# Allegro board 1155000-zp-dic_pda_8ch_board_v002.brd (continued)
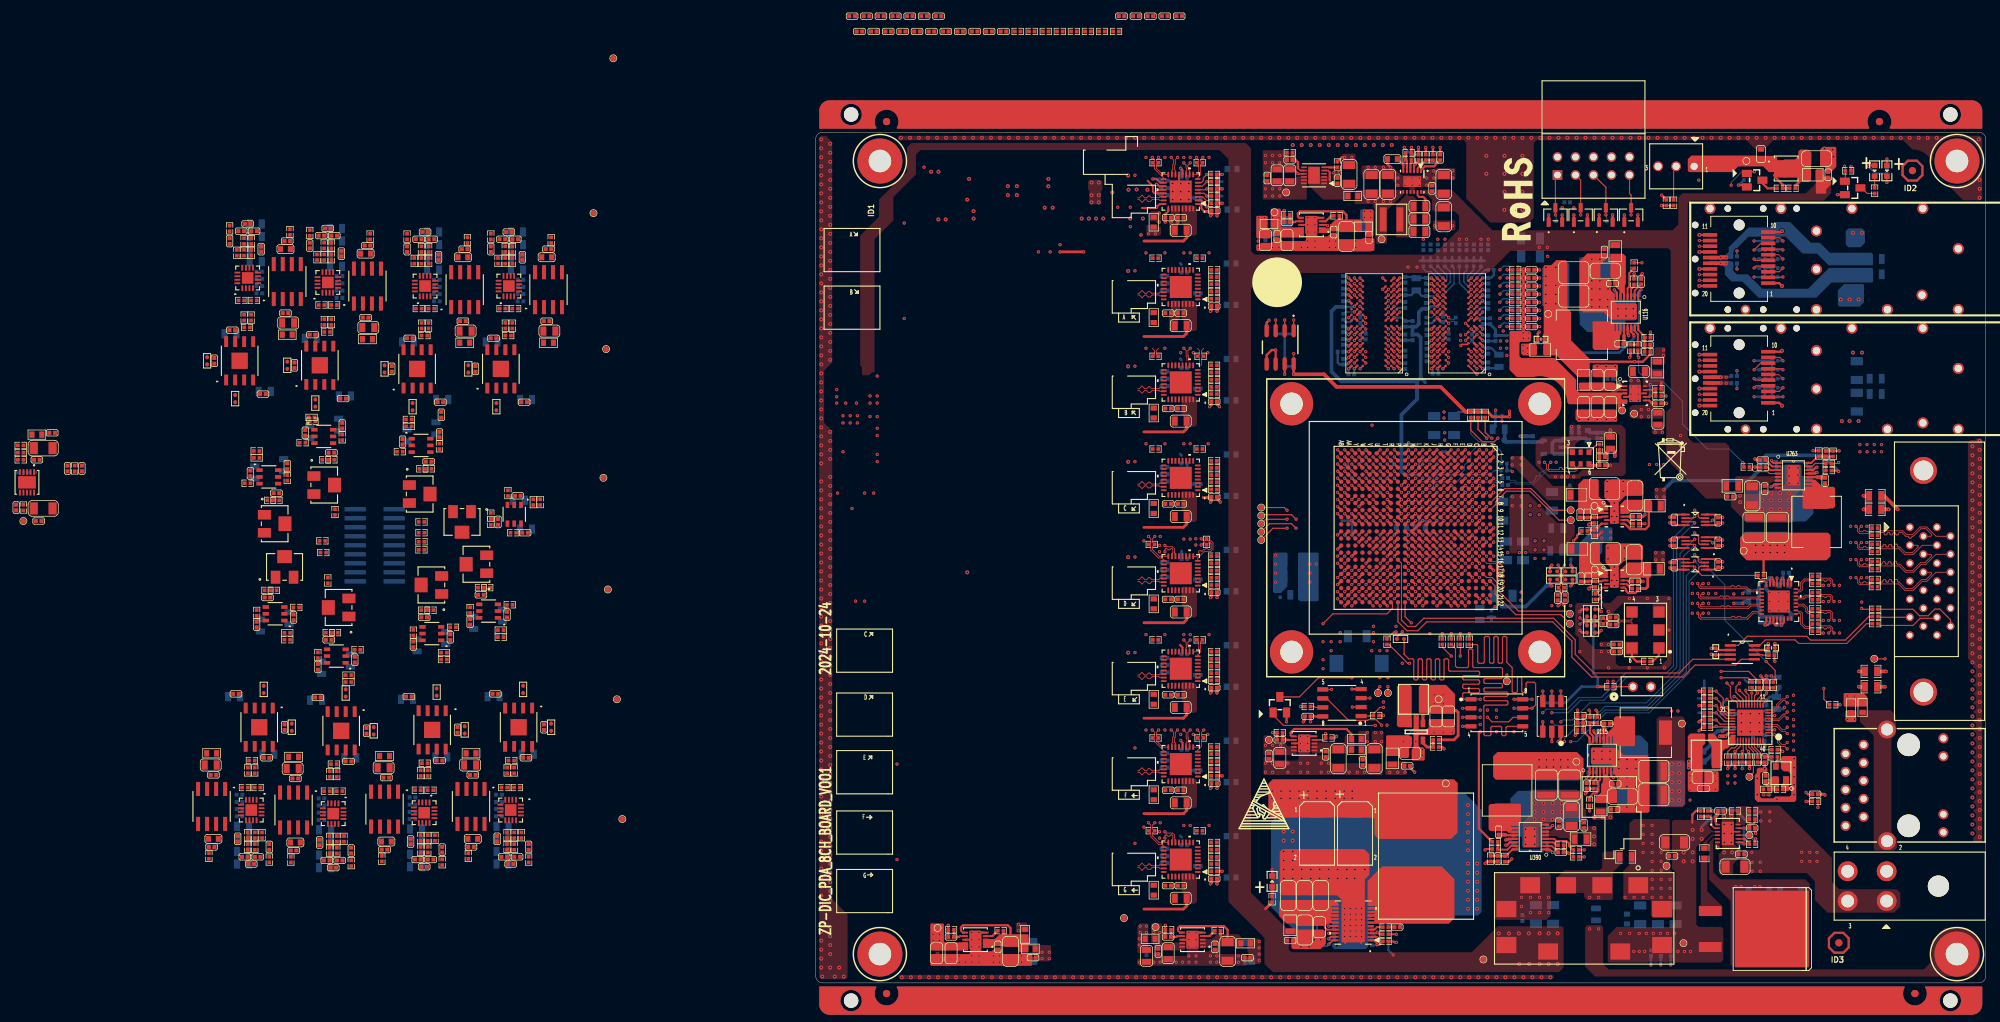
[diagram p0: board, top side]
## Nets (continued)
N23196826: R2153.2 U273.7(H\O\L\D\)
N23467611: R3014.2 U366.3(REFIN)
N23473539: R3026.1 U366.21(VCM)
N23486167: C2971.2(CAP1) C2974.1(CAP2) L299.2 U275.2(VIN)
N23486224: C2972.1(CAP2) C2973.2(CAP1) R2184.1 TP147.1 U275.6(VOUT)
N23486553: C2975.1(CAP2) C2976.2(CAP1) L300.2 U276.2(VIN)
N23486610: C2977.1(CAP2) C2978.2(CAP1) R2185.1 TP148.1 U276.6(VOUT)
N23486896: C2979.1(CAP2) C2980.2(CAP1) L301.2 U277.2(VIN)
N23486953: C2981.1(CAP2) C2982.2(CAP1) R2186.1 TP149.1 U277.6(VOUT)
N23487251: C2983.1(CAP2) C2984.2(CAP1) L302.2 U278.2(VIN)
N23487308: C2985.1(CAP2) C2986.2(CAP1) R2187.1 TP150.1 U278.6(VOUT)
N23492813: C2989.1(CAP2) C2990.2(CAP1) L303.2 U280.2(VIN)
N23492870: C2991.1(CAP2) C2992.2(CAP1) R2196.1 TP151.1 U280.6(VOUT)
N23492969: C2993.1(CAP2) C2994.2(CAP1) L304.2 U281.2(VIN)
N23493026: C2995.1(CAP2) C2996.2(CAP1) R2197.1 TP152.1 U281.6(VOUT)
N23493125: C2997.1(CAP2) C2998.2(CAP1) L305.2 U282.2(VIN)
N23493182: C2999.1(CAP2) C3000.2(CAP1) R2198.1 TP153.1 U282.6(VOUT)
N23493281: C3001.1(CAP2) C3002.2(CAP1) L306.2 U283.2(VIN)
N23493338: C3003.1(CAP2) C3004.2(CAP1) R2199.1 TP154.1 U283.6(VOUT)
N23503581: C3286.2(CAP1) C3287.2(CAP1) C3288.2(CAP1) L368.2 U369.1(VDD1) U369.19(VDD1_2) U369.20(VDD1_3)
N23503589: C3289.2(CAP1) C3290.2(CAP1) C3291.2(CAP1) L369.2 U369.2(VDD2) U369.18(VDD2_2) U369.25(VDD2_3)
N23503625: R3035.2 U369.3(REFIN)
N23503698: R3047.1 U369.21(VCM)
N23504848: C3300.2(CAP1) C3301.2(CAP1) C3302.2(CAP1) L371.2 U372.1(VDD1) U372.19(VDD1_2) U372.20(VDD1_3)
N23504856: C3303.2(CAP1) C3304.2(CAP1) C3305.2(CAP1) L372.2 U372.2(VDD2) U372.18(VDD2_2) U372.25(VDD2_3)
N23504892: R3056.2 U372.3(REFIN)
N23504965: R3068.1 U372.21(VCM)
N23506117: C3356.2(CAP1) C3357.2(CAP1) C3358.2(CAP1) L383.2 U384.1(VDD1) U384.19(VDD1_2) U384.20(VDD1_3)
N23506125: C3359.2(CAP1) C3360.2(CAP1) C3361.2(CAP1) L384.2 U384.2(VDD2) U384.18(VDD2_2) U384.25(VDD2_3)
N23506161: R3140.2 U384.3(REFIN)
N23506234: R3152.1 U384.21(VCM)
N23507395: C3314.2(CAP1) C3315.2(CAP1) C3316.2(CAP1) L374.2 U375.1(VDD1) U375.19(VDD1_2) U375.20(VDD1_3)
N23507403: C3317.2(CAP1) C3318.2(CAP1) C3319.2(CAP1) L375.2 U375.2(VDD2) U375.18(VDD2_2) U375.25(VDD2_3)
N23507439: R3077.2 U375.3(REFIN)
N23507512: R3089.1 U375.21(VCM)
N23508661: C3328.2(CAP1) C3329.2(CAP1) C3330.2(CAP1) L377.2 U378.1(VDD1) U378.19(VDD1_2) U378.20(VDD1_3)
N23508669: C3331.2(CAP1) C3332.2(CAP1) C3333.2(CAP1) L378.2 U378.2(VDD2) U378.18(VDD2_2) U378.25(VDD2_3)
N23508705: R3098.2 U378.3(REFIN)
N23508778: R3110.1 U378.21(VCM)
N23509928: C3342.2(CAP1) C3343.2(CAP1) C3344.2(CAP1) L380.2 U381.1(VDD1) U381.19(VDD1_2) U381.20(VDD1_3)
N23509936: C3345.2(CAP1) C3346.2(CAP1) C3347.2(CAP1) L381.2 U381.2(VDD2) U381.18(VDD2_2) U381.25(VDD2_3)
N23509972: R3119.2 U381.3(REFIN)
N23510045: R3131.1 U381.21(VCM)
N23511196: C3370.2(CAP1) C3371.2(CAP1) C3372.2(CAP1) L386.2 U387.1(VDD1) U387.19(VDD1_2) U387.20(VDD1_3)
N23511204: C3373.2(CAP1) C3374.2(CAP1) C3375.2(CAP1) L387.2 U387.2(VDD2) U387.18(VDD2_2) U387.25(VDD2_3)
N23511240: R3161.2 U387.3(REFIN)
N23511313: R3173.1 U387.21(VCM)
N23531871: R2214.1 U271.31(OUT0-)
N23531940: R2215.1 U271.30(OUT1+)
N23531952: R2216.1 U271.29(OUT1-)
N23531995: R2217.1 U271.28(OUT2+)
N23532007: R2218.1 U271.27(OUT2-)
N23532050: R2219.1 U271.26(OUT3+)
N23532062: R2220.1 U271.25(OUT3-)
N23538900: TP102.1 U1.B18(IO_L20P_T3_A20_15)
N23538909: TP103.1 U1.A19(IO_L20N_T3_A19_15)
N23539881: J6.11 R834.2
N23546000: R2253.2 U263.7(NC)
N23547065: C2486.1(CAP2) C2487.2(CAP1) L288.2 U272.1(VDD) U272.3(CE)
N23561603: C1339.1(CAP2) C2480.2(CAP1) L131.2 R2083.2 U133.1(IN) U133.2(IN_2) U133.3(EN/UV) U133.6(PGFB)
N23561705: R2083.1 U133.4(PG)
N23561717: C1340.1(CAP2) R2139.1 U133.7(SET)
N23565715: C1257.1(CAP2) L111.2 R1138.1 U124.4(VIN)
N23565735: L112.1 U124.3(SW)
N23565751: R1138.2 U124.1(EN)
N23565779: R1129.2 R1130.1 U124.5(FB)
N23580868: TP104.1 U1.R16(IO_L20P_T3_13)
N23580877: TP105.1 U1.T16(IO_L20N_T3_13)
N23582125: R2598.1 U154.6(OE)
N23591059: R1884.2 R3200.2 U236.2(EN)
N23610435: R2674.2 U342.5(S\H\D\N\)
N23610458: R2676.2 U342.3(IN+)
N23610499: C3093.1(CAP2) R2517.2 R2692.1 R3207.2 U342.4(IN-)
N23610531: C3093.2(CAP1) L357.1 R2518.2 R2692.2 U342.1(OUT)
N23610539: C3090.1(CAP2) R2679.2 R3218.1
N23613049: C3088.2(CAP1) R2688.2 R3216.2 R3256.1 U343.6(OUT)
N23614353: C3088.1(CAP2) R3216.1 R3218.2 U343.2(-IN)
N23616207: R3288.2 U343.3(+IN)
N23618683: R2677.2 U344.12(D\I\S\A\B\L\E\)
N23618728: C3538.1(CAP2) R3256.2 R3258.1 U344.2(IN+)
N23618730: C3538.2(CAP1) R3258.2 U344.1(FB-)
N23618750: R2681.1 U344.11(OUT-)
N23618767: C3537.1(CAP2) R3257.2 R3259.1 U344.3(IN-)
N23618773: R2690.1 U344.10(OUT+)
N23618807: C3537.2(CAP1) R3259.2 U344.4(FB+)
N23624222: R2681.2 R2684.1
N23624272: R2690.2 R2691.1
N23628828: L357.2 R2679.1
N23641427: R2696.2 U346.5(S\H\D\N\)
N23641429: R2697.2 U346.3(IN+)
N23641433: C3116.1(CAP2) R2713.1 R3208.2 R3290.2 U346.4(IN-)
N23641439: C3116.2(CAP1) L358.1 R2713.2 R3291.2 U346.1(OUT)
N23641442: C3540.1(CAP2) R2700.2 R3220.1
N23641477: C3111.2(CAP1) R2709.2 R3219.2 R3261.1 U347.6(OUT)
N23641479: C3111.1(CAP2) R3219.1 R3220.2 U347.2(-IN)
N23641492: R3289.2 U347.3(+IN)
N23641506: R2698.2 U345.12(D\I\S\A\B\L\E\)
N23641518: R2704.1 U345.11(OUT-)
N23641522: R2711.1 U345.10(OUT+)
N23641559: R2704.2 R2705.1
N23641562: R2711.2 R2712.1
N23641588: L358.2 R2700.1
N23642763: R2716.2 U350.5(S\H\D\N\)
N23642765: R2718.2 U350.3(IN+)
N23642769: C3139.1(CAP2) R2734.1 R3209.2 R3292.2 U350.4(IN-)
N23642775: C3139.2(CAP1) L359.1 R2734.2 R3293.2 U350.1(OUT)
N23642778: C3542.1(CAP2) R2721.2 R3224.1
N23642813: C3134.2(CAP1) R2730.2 R3223.2 R3265.1 U348.6(OUT)
N23642815: C3134.1(CAP2) R3223.1 R3224.2 U348.2(-IN)
N23642828: R3294.2 U348.3(+IN)
N23642842: R2719.2 U349.12(D\I\S\A\B\L\E\)
N23642854: R2725.1 U349.11(OUT-)
N23642858: R2732.1 U349.10(OUT+)
N23642895: R2725.2 R2726.1
N23642898: R2732.2 R2733.1
N23642924: L359.2 R2721.1
N23644099: R2737.2 U353.5(S\H\D\N\)
N23644101: R2739.2 U353.3(IN+)
N23644105: C3162.1(CAP2) R2755.1 R3210.2 R3295.2 U353.4(IN-)
N23644111: C3162.2(CAP1) L360.1 R2755.2 R3296.2 U353.1(OUT)
N23644149: C3157.2(CAP1) R2751.2 R3227.2 R3269.1 U351.6(OUT)
N23644151: C3157.1(CAP2) R3227.1 R3228.2 U351.2(-IN)
N23644157: C3545.1(CAP2) R2741.2 R3228.1
N23644166: R3297.2 U351.3(+IN)
N23644178: R2740.2 U352.12(D\I\S\A\B\L\E\)
N23644190: R2746.1 U352.11(OUT-)
N23644194: R2753.1 U352.10(OUT+)
N23644231: R2746.2 R2747.1
N23644234: R2753.2 R2754.1
N23644260: L360.2 R2741.1
N23646771: R2758.2 U354.5(S\H\D\N\)
N23646773: R2760.2 U354.3(IN+)
N23646777: C3185.1(CAP2) R3211.2 R3299.2 R3301.1 U354.4(IN-)
N23646783: C3185.2(CAP1) L361.1 R3300.2 R3301.2 U354.1(OUT)
N23646786: C3548.1(CAP2) R2764.2 R3232.1
N23646821: C3180.2(CAP1) R2772.2 R3231.2 R3273.1 U356.6(OUT)
N23646823: C3180.1(CAP2) R3231.1 R3232.2 U356.2(-IN)
N23646838: R3298.2 U356.3(+IN)
N23646850: R2761.2 U355.12(D\I\S\A\B\L\E\)
N23646862: R2766.1 U355.11(OUT-)
N23646866: R2774.1 U355.10(OUT+)
N23646903: R2766.2 R2768.1
N23646906: R2774.2 R2775.1
N23646932: L361.2 R2764.1
N23648108: R2779.2 U357.5(S\H\D\N\)
N23648110: R2781.2 U357.3(IN+)
N23648114: C3208.1(CAP2) R3212.2 R3302.2 R3304.1 U357.4(IN-)
N23648120: C3208.2(CAP1) L362.1 R3303.2 R3304.2 U357.1(OUT)
N23648123: C3551.1(CAP2) R2783.2 R3236.1
N23648158: C3203.2(CAP1) R2793.2 R3235.2 R3277.1 U358.6(OUT)
N23648160: C3203.1(CAP2) R3235.1 R3236.2 U358.2(-IN)
N23648175: R3305.2 U358.3(+IN)
N23648187: R2782.2 U359.12(D\I\S\A\B\L\E\)
N23648199: R2788.1 U359.11(OUT-)
N23648203: R2795.1 U359.10(OUT+)
N23648240: R2788.2 R2789.1
N23648243: R2795.2 R2796.1
N23648269: L362.2 R2783.1
N23649444: R2800.2 U361.5(S\H\D\N\)
N23649446: R2802.2 U361.3(IN+)
N23649450: C3231.1(CAP2) R3213.2 R3306.2 R3308.1 U361.4(IN-)
N23649456: C3231.2(CAP1) L363.1 R3307.2 R3308.2 U361.1(OUT)
N23649459: C3554.1(CAP2) R2805.2 R3240.1
N23649494: C3226.2(CAP1) R2814.2 R3239.2 R3281.1 U362.6(OUT)
N23649496: C3226.1(CAP2) R3239.1 R3240.2 U362.2(-IN)
N23649511: R3309.2 U362.3(+IN)
N23649523: R2803.2 U360.12(D\I\S\A\B\L\E\)
N23649535: R2808.1 U360.11(OUT-)
N23649539: R2816.1 U360.10(OUT+)
N23649576: R2808.2 R2810.1
N23649579: R2816.2 R2817.1
N23649605: L363.2 R2805.1
N23650781: R2821.2 U363.5(S\H\D\N\)
N23650783: R2823.2 U363.3(IN+)
N23650787: C3254.1(CAP2) R3214.2 R3310.2 R3312.1 U363.4(IN-)
N23650793: C3254.2(CAP1) L364.1 R3311.2 R3312.2 U363.1(OUT)
N23650796: C3557.1(CAP2) R2827.2 R3244.1
N23650831: C3249.2(CAP1) R2835.2 R3243.2 R3285.1 U365.6(OUT)
N23650833: C3249.1(CAP2) R3243.1 R3244.2 U365.2(-IN)
N23650846: R3313.2 U365.3(+IN)
N23650860: R2824.2 U364.12(D\I\S\A\B\L\E\)
N23650872: R2830.1 U364.11(OUT-)
N23650876: R2837.1 U364.10(OUT+)
N23650913: R2830.2 R2831.1
N23650916: R2837.2 R2838.1
N23650942: L364.2 R2827.1
N23654061: C3068.1(CAP2) J60.9(KC) R2659.2
N23657743: R2666.2 R2670.2 R2671.1 U341.3(EN/UV)
N23657801: C3080.1(CAP2) C3081.2(CAP1) L356.2 R2668.1 R2670.1 U341.1(IN) U341.2(IN_2) U341.6(PGFB)
N23657901: R2668.2 U341.4(PG)
N23657909: R3180.2 U341.5(ILIM)
N23657913: C3087.2(CAP1) R2672.1 U341.7(SET)
N23664417: Q10.1(GATE) R3011.2
N23714295: C3385.1(CAP2) C3386.2(CAP1) L389.2 U390.5(VIN1) U390.6(VIN2)
N23714361: C3387.2(CAP1) U390.12(BST)
N23714381: R3188.2 R3201.2 U390.15(PG)
N23714428: C3387.1(CAP2) L390.1 U390.9(SW1) U390.10(SW2) U390.11(SW3)
N23714562: R3192.1 R3193.2 U390.1(SYNC)
N23714578: C3393.1(CAP2) U390.2(TR/SS)
N23714614: C3392.1(CAP2) R3191.1 R3197.1 U390.16(FB)
N23714631: C3394.1(CAP2) R3192.2 U390.13(INTVCC)
N23714691: R3195.1 U390.3(RT)
N23714693: R3196.2 U390.7(NC)
N23716769: R3189.2 R3198.2 U390.4(EN/UV)
N23718317: C1349.1(CAP2) L134.2 Q20.5(S1) R1198.1
N23718389: Q20.4(G) R1198.2 R2129.1
N23718426: Q21.3(DRAIN) R2129.2
N23718455: Q21.1(GATE) R1196.1 R1197.1
N23721389: TP158.1 U1.A9(IO_L21P_T3_DQS_16)
N23721398: TP159.1 U1.A8(IO_L21N_T3_DQS_16)
N23755096: C3413.1(CAP2) C3414.2(CAP1) L391.2 L395.2 R3204.2 U391.1(IN) U391.2(IN_2) U391.3(EN/UV) U391.6(PGFB)
N23755194: R3204.1 U391.4(PG)
N23755206: C3418.1(CAP2) R3203.1 U391.7(SET)
N23756584: C3419.1(CAP2) C3420.2(CAP1) L392.2 U392.1(IN) U392.2(IN_1) U392.3(EN/UV) U392.5(PGFB) U392.13(IN_2)
N23756696: R3205.2 U392.6(ILIM)
N23756700: C3424.1(CAP2) R3206.1 U392.8(SET)
N23798265: C2089.1(CAP2) C2090.1(CAP2) C2091.1(CAP2) U236.11(CP)
N23798356: C2089.2(CAP1) C2090.2(CAP1) C2091.2(CAP1) L228.1 U236.8(SW)
N23798472: C2087.1(CAP2) U236.6(CAP)
N23798476: R1882.1 U236.4(VREF)
N23798530: R1882.2 R1883.1 U236.5(FB)
N23798539: C2088.2(CAP1) U236.1(VAUX)
N23798561: R1885.2 R1886.2 U236.3(PG)
N23828553: C2474.2(CAP1) C3051.1(CAP2) L122.2 R3255.1 U127.1(IN) U127.2(IN_2) U127.6(PGFB)
N23828667: R3255.2 U127.4(PG)
N23828679: C3015.1(CAP2) R2254.1 U127.7(SET)
N23834386: C3539.1(CAP2) R3260.1 R3261.2 U345.2(IN+)
N23834390: C3539.2(CAP1) R3260.2 U345.1(FB-)
N23834446: C3541.1(CAP2) R3262.2 R3263.1 U345.3(IN-)
N23834468: C3541.2(CAP1) R3263.2 U345.4(FB+)
N23835709: C3543.1(CAP2) R3264.1 R3265.2 U349.2(IN+)
N23835713: C3543.2(CAP1) R3264.2 U349.1(FB-)
N23835769: C3544.1(CAP2) R3266.2 R3267.1 U349.3(IN-)
N23835791: C3544.2(CAP1) R3267.2 U349.4(FB+)
N23836504: C3546.1(CAP2) R3268.1 R3269.2 U352.2(IN+)
N23836508: C3546.2(CAP1) R3268.2 U352.1(FB-)
N23836564: C3547.1(CAP2) R3270.2 R3271.1 U352.3(IN-)
N23836586: C3547.2(CAP1) R3271.2 U352.4(FB+)
N23837542: C3549.1(CAP2) R3272.1 R3273.2 U355.2(IN+)
N23837546: C3549.2(CAP1) R3272.2 U355.1(FB-)
N23837602: C3550.1(CAP2) R3274.2 R3275.1 U355.3(IN-)
N23837624: C3550.2(CAP1) R3275.2 U355.4(FB+)
N23838396: C3552.1(CAP2) R3276.1 R3277.2 U359.2(IN+)
N23838400: C3552.2(CAP1) R3276.2 U359.1(FB-)
N23838456: C3553.1(CAP2) R3278.2 R3279.1 U359.3(IN-)
N23838478: C3553.2(CAP1) R3279.2 U359.4(FB+)
N23839613: C3555.1(CAP2) R3280.1 R3281.2 U360.2(IN+)
N23839617: C3555.2(CAP1) R3280.2 U360.1(FB-)
N23839673: C3556.1(CAP2) R3282.2 R3283.1 U360.3(IN-)
N23839695: C3556.2(CAP1) R3283.2 U360.4(FB+)
N23840487: C3558.1(CAP2) R3284.1 R3285.2 U364.2(IN+)
N23840491: C3558.2(CAP1) R3284.2 U364.1(FB-)
N23840547: C3559.1(CAP2) R3286.2 R3287.1 U364.3(IN-)
N23840569: C3559.2(CAP1) R3287.2 U364.4(FB+)
N24029232: R2517.1 R2518.1
N24031692: R3290.1 R3291.1
N24032261: R3292.1 R3293.1
N24032659: R3295.1 R3296.1
N24033697: R3299.1 R3300.1
N24034126: R3302.1 R3303.1
N24034732: R3306.1 R3307.1
N24035314: R3310.1 R3311.1

Pads without a net: J1 6 7 8; J60 1 2 7 8 10 11 16 17 18; MH2 1; MH3 1; MH4 1; NOREF#9 1; NOREF#13 1; NOREF#24 1; NOREF#25 1; R2517 3; R3290 3; R3292 3; R3295 3; R3299 3; R3302 3; R3306 3; R3310 3; U1 A3 A4 A10 A11 A18 A20 A21 AA11 AA13 AA14 AA15 AA19 AB11 AB13 AB20 B5 B6 B8 B10 B11 B17 B20 B21 B22 C8 C19 C20 C22 D1 D2 D12 D19 D20 D21 D22 E3 E4 F5 F6 G12 H12 H15 H20 J22 K16 L20 N18 N19 P20 R1 T8 T9 T15 T19 U12 U15 U16 V7 V9 V14 V15 V17 W4 W7 W9 W14 W15 W16 Y9 Y13 Y14 Y16; U75 J1 J9 L1 L9; U76 J1 J9 L1 L9; U103 2; U113 5; U134 1 2 3 4; U270 2; U271 23 24; U272 4; U275 1 3 5 7 8; U276 1 3 5 7 8; U277 1 3 5 7 8; U278 1 3 5 7 8; U280 1 3 5 7 8; U281 1 3 5 7 8; U282 1 3 5 7 8; U283 1 3 5 7 8; U343 1 5 8; U347 1 5 8; U348 1 5 8; U351 1 5 8; U356 1 5 8; U358 1 5 8; U362 1 5 8; U365 1 5 8; U392 4 7

## Via types
v1: diameter 0.457, hole 0.203, TOP to BOTTOM, 1680 vias
v2: diameter 0.559, hole 0.254, TOP to BOTTOM, 817 vias

## Routing (per net, layer and track width the routed paths; a pad name or vN(x,y) marks a point on that pad's centre or on a via; arc(x,y) is an arc through that point)
GND: length 626.4
  TOP w0.203: v1(67.99,114.17) 68.12,114.17 68.15,114.14 U392.9
  TOP w0.229: v1(114.98,83.06) 114.58,82.66 U23.4 ; U129.5 69.79,34.78 69.77,34.8 v1(69.39,34.8) ; U118.4 112.12,56.27 ; U129.8 v1(68.37,33.78) ; U23.8 116.1,83.16 v1(116,83.06) ; U119.4 112.12,65.29
  TOP w0.254: U127.5 70.93,107.93 70.91,107.95 v1(70.4,107.95) ; U391.8 v1(22.02,6.1) ; U49.5 121.47,62.86 C3037.2 ; C3038.2 121.55,59.8 U286.5 ; U391.5 23.56,7.1 23.54,7.11 v1(23.03,7.11) ; U271.5 v1(135.56,57.1) ; v2(51.48,112.78) 51.23,113.03 U384.13 ; U133.5 54.17,7.1 54.15,7.11 v1(53.64,7.11) ; U49.4 126.86,62.86 C3036.2 ; U287.5 126.94,64.57 C3041.2 ; C3039.2 126.86,59.8 U286.4 ; v1(48.07,109.42) 48.53,109.88 U384.24 ; U127.8 v1(69.39,106.93) ; U271.18 134.56,50.77 134.29,50.5 v1(133.9,50.5) 133.9,50.88 134.06,51.03 U271.17 ; U271.1 137.56,56.87 v1(137.33,57.1) 137.06,56.83 U271.2 ; U287.4 121.42,64.57 C3040.2 ; U133.8 v1(52.62,6.1)
  TOP w0.305: U1.N12 v1(83.6,63.19) ; J78.3 v1(102.54,36.83) ; U75.P1 v1(82.36,97.84) ; v1(64.44,35.31) R2137.2 C2477.2 ; v1(117.72,91.8) R1073.2 ; U1.Y5 v1(75.6,71.19) ; P4.14 v2(124.61,86.23) ; v1(139.66,26.87) 139.91,26.62 C3011.1 ; U75.D1 v1(82.36,89.04) ; v1(132.43,72.77) 132.46,72.74 R1083.2 ; C3040.2 v1(120.44,64.91) ; C550.2 v1(102.07,98.3) ; R3197.2 97.77,17.1 v1(98.16,17.49) ; v1(48.07,109.42) 47.95,109.31 46.02,109.31 ; U1.C7 v1(93.6,69.19) ; C3012.2 133.27,43.25 v1(133.27,43.31) ; U1.U14 v1(78.6,61.19) ; U1.F17 v1(89.61,59.19) ; U154.2 127.17,46.96 C1492.2 v1(126.28,47.21) ; U76.F9 v1(86.85,90.64) ; C1186.2 101.81,91.61 v1(102.03,91.82) ; R2231.1 124.81,37.08 v1(124.55,36.83) ; R2231.1 R2236.1 ; R2231.1 R2229.1 125.06,36.07 v1(124.55,35.56) ; v1(63.93,93.47) 63.59,93.14 U79.4 ; U1.C16 v1(93.6,59.19) ; U1.D13 v1(92.6,63.19) ; U1.F3 v1(90.6,73.19) ; U1.R10 v1(80.6,66.19) ; v2(136.26,98.3) 135.85,98.72 P3.1 ; U1.J14 v1(87.6,61.19) ; U1.AB9 v1(73.6,67.19) ; U79.6 v1(64.86,89.28) 64.31,89.28 63.59,88.57 U79.5 ; v2(136.26,89.17) 136.13,89.03 P4.10 ; U1.C1 v1(93.6,75.19) ; C2450.1 v1(112.06,73.03) ; U76.M1 v1(94.05,96.24) ; U1.R20 v1(80.6,55.19) ; P4.1 135.85,81.83 v2(136.26,81.42) ; C553.2 v1(102.07,93.73) ; U1.P15 v1(81.6,60.19) ; U76.E1 v1(94.05,89.84) ; U1.H3 v1(88.6,72.19) U1.H4 ; U1.R14 v1(80.6,61.19) ; U75.B9 v1(75.16,87.44) ; U1.P13 v1(81.6,62.19) ; 108.76,52.71 108.08,52.71 v1(107.76,52.39) ; U1.L8 v1(85.6,68.19) ; C2088.1 v1(88.06,117.86) ; U1.AA2 v1(74.6,74.19) ; U1.D3 v1(92.6,73.19) ; U76.J2 v1(93.25,93.84) ; P4.17 v2(124.61,83.83) ; Q15.2 v1(144.06,111.19) ; P4.20 v2(124.61,81.43) ; U1.T17 v1(79.6,58.19) ; v1(66.07,108.97) R2254.2 C3015.2 ; C97.2 v1(119.98,81.76) ; P3.14 v2(124.61,103.12) ; v1(108.55,26.67) 108.71,26.83 C1176.2 R1065.2 ; U1.A5 v1(95.6,71.19) ; U75.E8 v1(75.96,89.84) ; v1(107.11,34.93) 107.39,35.21 R1089.2 ; U1.V1 v1(77.6,75.19) ; v1(104.69,34.04) 105.08,34.42 J78.1 ; U1.R12 v1(80.6,63.19) ; U1.P11 v1(81.6,65.19) ; R1114.2 109.29,64.88 v2(109.06,64.64) ; U76.P1 v1(94.05,97.84) ; U1.M11 v1(84.6,65.19) ; C546.2 v1(102.07,99.44) ; U1.T7 v1(79.6,69.19) ; U1.W18 v1(76.6,57.19) ; U1.A22 v1(94.61,54.19) ; U75.M1 v1(82.36,96.24) ; U1.M7 v1(84.6,69.19) ; U1.N10 v1(83.6,66.19) ; U79.7 v1(66.13,85.85) ; P3.11 v2(124.61,105.52) ; U1.AA12 v1(74.6,63.19) ; U76.B3 v1(92.45,87.44) ; U1.J12 v1(87.6,63.19) ; C3038.2 v1(120.44,59.33) ; U1.G1 v1(89.6,75.19) ; U1.F7 v1(90.6,69.19) ; U1.N11 v1(83.6,65.19) ; C1491.2 v1(135.26,47.88) ; U1.B3 v1(94.6,73.19) ; P4.11 v2(124.61,88.63) ; U75.G1 v1(82.36,91.44) ; U76.G1 v1(94.05,91.44) ; v1(103.81,58.93) 103.55,58.67 R2207.2 ; U75.F9 v1(75.16,90.64) ; R845.2 136.11,32.89 v1(136.36,32.64) ; C1203.2 132.59,73.76 v1(132.43,73.92) ; U1.E7 v1(91.6,69.19) ; v1(49.3,8.13) R2139.2 C1340.2 ; U1.K13 v1(86.6,62.19) ; v1(115.41,100.05) 115.38,100.02 R1068.2 ; U1.D4 v1(92.6,72.19) ; U124.2 v1(84.68,37.65) ; U76.J8 v1(87.65,93.84) ; U1.B4 v1(94.6,72.19) ; U76.G9 v1(86.85,91.44) ; U76.E8 v1(87.65,89.84) ; U75.G8 v1(75.96,91.44) ; C3418.2 R3203.2 v1(18.7,8.13) ; C1256.1 83.81,30.35 84.44,29.72 v1(84.47,29.72) ; v2(136.26,106.05) 136.13,105.92 P3.10 ; U76.D1 v1(94.05,89.04) ; 45.79,105.43 v1(45.89,105.54) ; v1(67.99,114.17) 67.4,114.77 C3421.2 ; U1.N14 v1(83.6,61.19) ; C3037.2 v1(120.44,62.47) ; U1.G14 v1(89.6,61.19) ; U1.R8 v1(80.6,68.19) ; U76.E2 v1(93.25,89.84) ; J78.2 v1(103.81,34.04) ; U76.M9 v1(86.85,96.24) ; D3.1 v1(106.92,108.33) ; D2.1 v1(103.36,108.33) ; C2494.2 68.99,37.06 v1(68.75,36.83) ; U75.A9 v1(75.16,86.64) ; U1.E5 v1(91.6,71.19) ; U102.4 v1(91.23,36.2) ; U75.E1 v1(82.36,89.84) ; U76.G8 v1(87.65,91.44) ; U1.K15 v1(86.6,60.19) ; R844.1 C865.2 v2(133.82,30.23) 133.95,30.1 C839.2 ; C1190.2 116.4,99.89 v1(116.55,100.05) ; C3036.2 v1(127.88,62.47) ; C554.2 v1(102.07,94.87) ; U1.L22 v1(85.6,54.19) ; C525.2 v1(102.07,100.58) ; U75.B3 v1(80.76,87.44) ; P3.20 v2(124.61,98.32) ; U75.D8 v1(75.96,89.04) ; U1.AA22 v1(74.6,53.19) ; v2(109.06,55.63) 109.29,55.86 R1091.2 ; U1.M9 v1(84.6,67.19) ; U1.A1 v1(95.6,75.19) ; C1208.1 v1(116.68,56.64) ; U75.T9 v1(75.16,99.44) ; U76.T1 v1(94.05,99.44) ; U1.N8 v1(83.6,68.19) ; U75.G9 v1(75.16,91.44) ; R3205.1 74.2,116.46 v1(74.6,116.46) ; U76.D8 v1(87.65,89.04) ; v1(106.2,18.26) 106.05,18.42 C3393.2 R3195.2 ; U76.P9 v1(86.85,97.84) ; U1.C5 v1(93.6,71.19) ; U1.AB19 v1(73.6,56.19) ; U75.B1 v1(82.36,87.44) ; C2087.2 80.63,115.51 v1(81.07,115.06) ; U1.M13 v1(84.6,62.19) ; R2211.2 108.08,49.4 v1(107.76,49.72) ; U1.E10 v1(91.6,66.19) ; U1.K5 v1(86.6,71.19) ; U1.E20 v1(91.6,55.19) ; U76.A9 v1(86.85,86.64) ; C551.2 v1(102.07,97.16) ; U1.L14 v1(85.6,61.19) ; U1.M15 v1(84.6,60.19) ; U1.M19 v1(84.6,56.19) ; U1.V11 v1(77.6,65.19) ; D5.1 v1(114.03,108.33) ; U1.A7 v1(95.6,69.19) ; U1.L10 v1(85.6,66.19) ; v1(106.47,58.93) 106.73,58.67 R2206.2 ; U75.J2 v1(81.56,93.84) ; U1.K9 v1(86.6,67.19) ; U1.W8 v1(76.6,67.19) ; U75.E2 v1(81.56,89.84) ; U75.M9 v1(75.16,96.24) ; v1(130.12,112.54) 131.05,112.54 Q21.2 ; U1.Y15 v1(75.6,60.19) ; U1.P3 v1(81.6,73.19) ; U1.J1 v1(87.6,75.19) ; U76.T9 v1(86.85,99.44) ; R1086.2 v1(140.64,75.08) ; U75.J8 v1(75.96,93.84) ; C3360.1 v1(50.1,107.32) ; U76.B9 v1(86.85,87.44) ; U1.D7 v1(92.6,69.19) ; U1.J18 v1(86.61,58.19) ; C555.2 v1(102.07,96.01) ; U1.F4 v1(90.6,72.19) ; U1.N6 v1(83.6,70.19) ; R1130.2 88.36,33.27 v1(88.61,33.02) ; v1(116.93,66.04) 116.68,65.79 C1231.1 ; U1.L12 v1(85.6,63.19) ; U1.G5 v1(89.6,71.19) ; U1.L2 v1(85.6,74.19) ; U1.H11 v1(88.6,65.19) ; v1(84.01,117.86) R1883.2 ; U1.N16 v1(83.6,59.19) ; U1.J8 v1(87.6,68.19) ; C3041.2 v1(127.88,64.88) ; U1.B9 v1(94.6,67.19) ; D4.1 v1(110.47,108.33) ; U1.P9 v1(82.6,66.19) ; C522.2 v1(102.07,92.58) ; U1.B7 v1(94.6,69.19) ; U273.4 v1(75.61,41.45) ; U1.J10 v1(87.6,66.19) ; C3039.2 v1(127.88,59.41) ; U1.V21 v1(78.6,55.19) ; P3.17 v2(124.61,100.72) ; U1.J3 v1(87.6,73.19) ; U76.B1 v1(94.05,87.44) ; U75.P9 v1(75.16,97.84) ; U1.B19 v1(94.6,56.19) ; U1.U4 v1(78.6,72.19) ; U1.J2 v1(87.6,74.19) ; U1.E1 v1(91.6,75.19) ; U1.H21 v1(88.6,54.19) ; U75.T1 v1(82.36,99.44) ; DS24.2 v1(64.36,15.98) ; U1.H5 v1(88.6,71.19) ; Q10.2 v1(66.4,36.83)
  TOP w0.381: v1(129.63,30.23) R2242.1 ; C3329.1 v1(56.59,94.74) ; v1(124.55,41.15) R2230.1 R2240.1 R2235.1 v1(124.55,39.12) ; C3302.1 56.59,81.63 v1(56.94,81.28) ; R3145.1 v1(57.32,112.01) ; R3145.1 R3147.1 R3140.1 ; R3145.1 R3143.1 R3141.1 v1(57.32,114.05) ; v1(131.67,30.23) R2245.1 R2244.1 ; R3140.1 56.58,108.95 C3356.1 v1(56.59,108.2) ; R3140.1 v1(57.32,109.98) ; v1(57.07,67.82) 56.59,68.29 C3274.1 ; C3286.1 v1(56.59,54.36) ; C3342.1 v1(56.59,27.43) ; C3372.1 v1(56.59,13.97) ; v2(46.78,111.89) 46.74,111.93 ; v1(34.46,103.12) v1(37.79,103.12) ; C3315.1 v1(56.59,40.89) ; R3119.1 v1(57.32,29.21) ; R3161.1 v1(57.32,15.75) ; U1.A12 v1(95.6,64.19)
  TOP w0.508: R2084.2 v1(147.12,43.94) ; R2085.2 v1(147.11,41.78) ; R2087.2 v1(147.75,68.7) ; C2484.2 v1(112.06,77.98) ; R2086.2 v1(147.75,66.8)
  GND02 w0.305: J77.2 117.78,42.93 ; J77.2 117.78,40.51 ; J77.2 116.51,41.78 ; J77.2 119.17,41.78
  GND02 w0.508: 117.71,115.19 J61.3 ; J61.3 118.79,116.33 ; J61.3 119.89,115.19 ; J61.3 118.79,114.08 ; J6.13 157.74,31.96 ; J6.13 159.02,30.74 ; J6.13 160.28,31.96 ; J6.13 159.02,33.08 ; J1.2 104.6,117.65 ; J1.2 103.39,116.51 ; J1.2 105.69,116.51 ; J1.2 104.6,115.42 ; J1.10 114.76,117.65 ; J1.10 114.76,115.42 ; J1.10 113.55,116.51 ; J1.10 115.85,116.51
  ART03 w0.102: v1(12.49,107.19) 10.46,105.16 10.46,72.64 v1(6.9,69.09) ; v1(11.48,30.86) 6.9,35.43 v1(6.9,53.85) ; v1(8.17,69.09) 11.48,72.39 11.48,92.71 v1(12.49,93.73) ; v1(5.63,53.85) 5.63,23.24 v1(11.48,17.4)
  GND04 w0.305: J77.2 117.78,43.11 ; J77.2 116.63,41.78 ; J77.2 117.78,40.64 ; J77.2 118.98,41.78
  GND04 w0.508: J1.10 113.51,116.51 ; J1.10 114.76,117.76 ; J1.10 114.76,115.25 ; J1.10 116.01,116.51 ; 117.62,115.19 J61.3 ; J61.3 118.79,116.36 ; J61.3 118.79,114.01 ; J61.3 119.97,115.19 ; J6.13 160.21,31.96 ; J6.13 159.02,33.08 ; J6.13 159.02,30.77 ; J6.13 157.82,31.96 ; J1.2 104.6,117.76 ; J1.2 105.85,116.51 ; J1.2 103.35,116.51 ; J1.2 104.6,115.25
  GND07 w0.305: J77.2 117.78,40.64 ; J77.2 116.63,41.78 ; J77.2 117.78,42.93 ; J77.2 118.92,41.78
  GND07 w0.508: J6.13 157.67,31.96 ; J6.13 159.02,30.73 ; J6.13 159.02,33.08 ; J6.13 160.37,31.96 ; J61.3 118.79,113.98 ; J61.3 118.79,116.39 ; J61.3 120,115.19 ; J61.3 117.59,115.19 ; J1.10 114.76,115.28 ; J1.10 113.54,116.51 ; J1.10 115.98,116.51 ; J1.10 114.76,117.73 ; J1.2 103.38,116.51 ; J1.2 104.6,115.28 ; J1.2 105.82,116.51 ; J1.2 104.6,117.7
  ART08 w0.381: 42.59,15.19 42.59,17.25 v1(45.02,19.69) ; v1(45.02,100.46) 42.59,98.02 42.59,95.96 ; 42.59,42.11 42.59,44.18 v1(45.02,46.61) ; v1(45.02,87) 42.59,84.56 42.59,82.5 ; v1(45.02,73.53) 42.59,71.1 42.59,69.04 ; v1(42.59,109.42) 42.59,111.49 v1(45.02,113.92) ; 42.59,28.65 42.59,30.71 v1(45.02,33.15) ; v1(45.02,60.07) 42.59,57.64 42.59,55.58
  BOTTOM w0.254: v2(133.06,37.97) 133.42,38.33 C851.2 ; R1042.1 70.32,5.7 v2(70.32,6.1) ; C855.2 v2(130.52,37.97) ; C642.2 v1(67.4,88.77)
  BOTTOM w0.305: v1(92.6,69.19) 92.14,68.73 C426.2 ; v1(78.6,72.19) 78.11,71.7 R2143.2 ; v1(94.05,97.84) 94.2,97.68 C562.2 ; C510.2 79.1,69.7 v1(79.6,69.19) ; C520.2 C506.2 82.68,93.84 v1(81.56,93.84) ; v1(90.6,69.19) 90.14,68.73 C427.2 ; C408.2 U1.AA22 v1(74.6,53.19) ; C854.2 133.68,36.09 v2(133.06,36.7) 133.49,37.13 C853.2 ; v1(86.85,97.84) 86.69,97.68 C570.2 ; C566.2 96.23,88.61 95.28,89.55 C569.2 94.33,89.55 v1(94.05,89.84) ; R458.2 74.75,93.22 75.34,93.22 v1(75.96,93.84) ; C528.2 76.8,93 v1(77.56,92.24) C534.2 ; C161.2 90.61,80.54 R342.1 R340.1 R341.1 ; v1(75.16,91.44) 74.8,91.8 C532.2 ; v1(75.6,71.19) 75.11,71.69 C492.2 ; v2(52.62,112.78) 52.39,113.01 C3362.1 ; v1(86.85,87.44) 86.6,87.69 C559.2 ; v1(77.6,65.19) 77.1,65.7 C463.2 ; v1(94.05,99.44) 94.07,99.46 C564.2 95.24,99.46 95.62,99.84 R8.2 ; C538.2 74.89,99.71 v1(75.16,99.44) ; C558.2 87,86.49 v1(86.85,86.64) ; v1(81.6,62.19) 82.07,62.66 C155.2 ; v1(75.16,90.64) 74.98,90.82 C536.2 ; C22.2 v1(129.91,100.71) ; C567.2 92.55,90.54 v1(93.25,89.84) ; v2(50.34,111.63) 49.83,112.14 C3358.1 ; v1(80.6,61.19) 81.11,61.7 C418.2 ; v1(106.47,58.93) 106.48,58.93 C1185.2 ; v2(111.47,86.97) 111.66,86.78 R219.2 C271.2 ; v1(75.16,96.24) 75.08,96.16 C507.2 ; C419.2 U1.R8 v1(80.6,68.19) ; v1(83.6,68.19) 84.11,67.69 C494.2 ; C165.2 82.14,66.66 v1(82.6,66.19) 82.14,65.73 C420.2 ; v1(93.6,75.19) 94.1,74.7 C431.2 ; v1(94.05,87.44) 94.13,87.52 C568.2 ; C565.2 94.38,95.9 v1(94.05,96.24) ; v2(50.34,110.49) 49.7,111.13 C3357.1 ; v1(81.6,65.19) 81.9,64.9 L3.1 ; v1(76.97,6.54) 77.39,6.12 R1046.1 ; C641.2 v1(101.01,40.01) ; v1(75.16,86.64) 75.13,86.61 C530.2 ; 52.39,72.62 C3278.1 ; v1(95.6,75.19) U1.A1 C146.2 ; v1(83.6,72.19) 84.1,72.69 C516.2 ; v1(94.6,69.19) 94.14,68.73 C144.2 ; C542.2 82.39,97.81 v1(82.36,97.84) ; v1(93.25,93.84) 93.34,93.75 C573.2 C545.2 ; v1(86.85,90.64) 86.47,90.26 C560.2 ; U1.L22 v1(85.6,54.19) ; C403.2 v1(86.6,60.19) ; v1(130.73,54.94) 130.98,55.19 C2471.2 ; v1(95.8,53.09) 95.3,52.58 C2413.2 ; v1(75.16,87.44) 74.95,87.23 C535.2 73.9,87.23 73.61,87.52 C529.2 ; R41.2 91.11,69.69 v1(91.6,69.19) ; C434.2 90.09,60.71 v1(89.6,61.19) ; R276.2 87.1,58.69 v1(86.61,58.19) ; v1(77.6,75.19) 77.11,74.69 C511.2 ; R1048.2 77.19,7.89 v1(76.97,8.12) ; C539.2 82.41,87.4 v1(82.36,87.44) ; C2493.2 v1(129.91,83.83) ; C415.2 v1(92.6,63.19) 92.11,62.7 C441.2 ; v1(74.6,63.19) 75.11,62.69 C462.2 ; v1(94.05,91.44) 94.16,91.33 C572.2 ; v1(79.6,58.19) 79.1,57.69 C409.2 ; U1.H21 v1(88.6,54.19) ; C514.2 81.1,72.69 v1(81.6,73.19) 81.1,73.7 C508.2 ; v1(82.36,89.04) 82.5,89.17 C540.2 ; v1(73.6,56.19) 74.11,56.7 C410.2 ; v1(86.85,91.44) 86.78,91.37 C561.2 ; C23.2 v1(129.91,103.25) ; C491.2 86.1,71.69 v1(86.6,71.19) ; C166.2 83.11,62.69 v1(83.6,63.19) ; C563.2 86.51,95.9 v1(86.85,96.24) ; v1(82.36,96.24) 82.57,96.03 C531.2 ; R2141.2 79.1,61.69 v1(78.6,61.19) ; R490.2 86.88,93.07 v1(87.65,93.84) 87.65,93.68 88.12,93.2 C556.2 ; C557.2 v1(89.25,92.24) ; C2491.2 v1(129.91,86.37) ; R1196.2 130.16,112.54 v1(130.12,112.54) ; v1(82.36,99.44) 82.38,99.46 83.02,99.46 C543.2 84.49,99.59 C250.2 84.74,99.46 C571.2 86.2,99.33 86.74,99.33 v1(86.85,99.44) ; C533.2 75.07,97.94 v1(75.16,97.84) ; C153.2 88.1,65.69 v1(88.6,65.19) ; C541.2 82.38,91.46 v1(82.36,91.44) ; C515.2 84.1,75.69 v1(83.6,76.19) ; C3359.1 49.96,113.16 v2(50.34,112.78) ; C417.2 v1(89.61,59.19) ; C2483.2 v1(96.78,79.25) ; U272.2 v1(106.09,75.57)